# Altium PCB Laser.PcbDoc (continued)
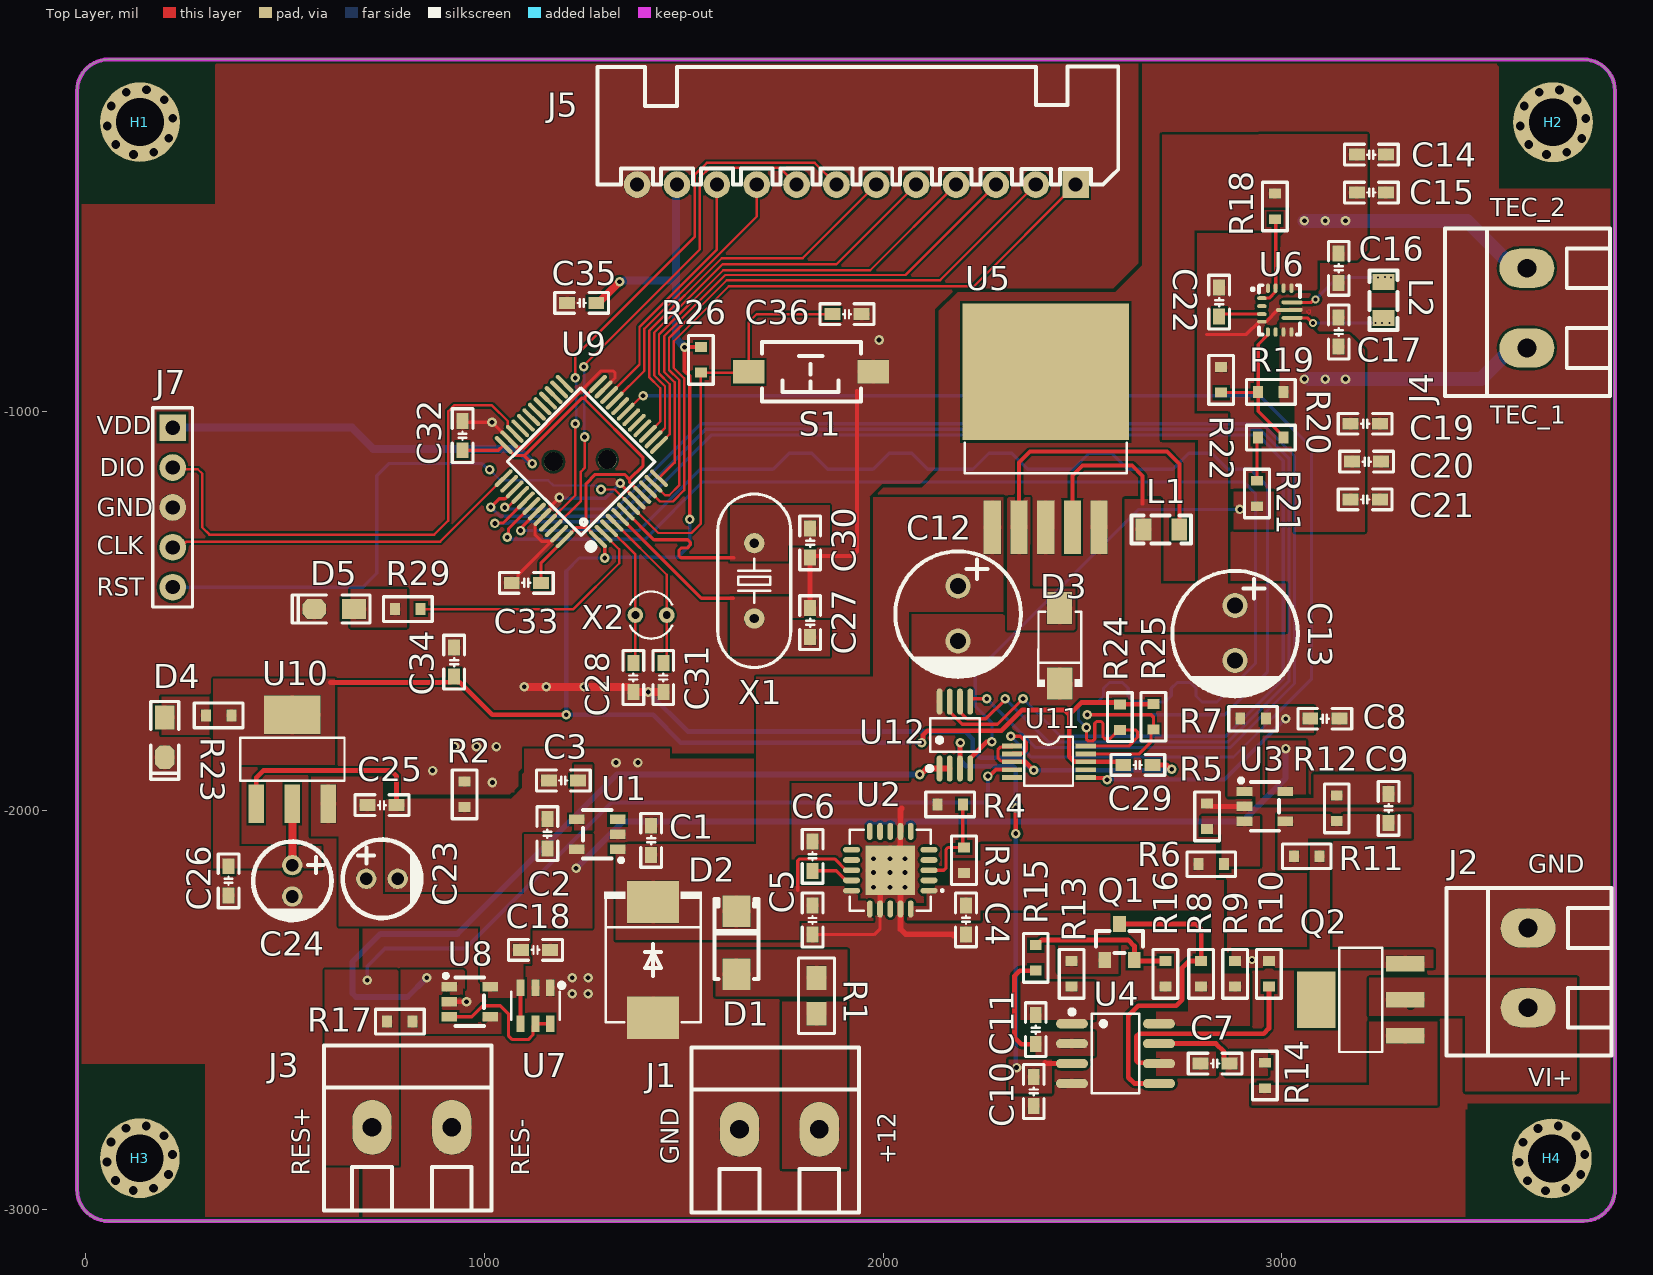
[diagram p0: Top Layer view]
## Nets (pads, with @x,y where several pads share a name; then routed paths per layer and width w, separated by ;. In a path a pad name is that pad's centre, name@x,y a point inside that pad or via, vN(x,y) a via of type N, cw(c..) or ccw(c..) an arc to the next point about the centre after c; other vN are vias at no path point) (continued)
  Bottom Layer w8: v1(1051,-1240) 1051,-1240.69 1054.31,-1244 1329,-1244 1543,-1030 2951,-1030 3032,-1111 3032,-1681.6 2871.6,-1842 2382,-1842 v1(2260,-1720)
DA_MOSI: U9.41 U12.7 | length 3743.5
  Top Layer w8: v1(1026.31,-1279.97) 1027.29,-1279 1047.23,-1279 U9.41 ; U12.7 2167.2,-1752.65 2198.55,-1784 2287,-1784 2346,-1725 v1@2351,-1725
  Bottom Layer w8: v1(1026.31,-1279.97) 1060.03,-1279.97 1064,-1276 1352,-1276 1570,-1058 2939.4,-1058 3004,-1122.6 3004,-1670 2860,-1814 2445,-1814 v1(2351,-1720)
DA_SCK: U9.39 U12.6 | length 3754.9
  Top Layer w8: v1(1016,-1239) 1037,-1218 1051.84,-1218 1075.25,-1194.59 U9.39 ; U12.6 2194.86,-1729.17 2194.86,-1754.72 2210.14,-1770 2258,-1770 v1@2306,-1722
  Bottom Layer w8: v1(1016,-1239) 1039,-1262 1337,-1262 1555,-1044 2945.2,-1044 3018,-1116.8 3018,-1675.8 2865.8,-1828 2414,-1828 v1(2306,-1720)
DGND: C24.2 C26.2 C27.1 C28.1 C29.2 C30.1 C31.1 C32.2 C33.2 C34.2 C35.2 C36.2 D4.2 D5.2 J5.12 J7.3 R2.1 S1.1 U9.8 U9.23 U9.35 U9.44 U9.47 U11.1 U11.3 | length 3781.9
  Top Layer w6: C36.2 1951,-755 C36.2@1963,-767
  Top Layer w8: C32.2 947.77,-1026.27 v1(1019,-1026.27) U9.35 ; R2.1 R2.1@952,-1930 ; C33.2 1073.5,-1429 1084.5,-1418 1084.5,-1408.77 1186.61,-1306.66 1186.61,-1305.95 1167.56,-1325 1143,-1325 1127.04,-1309.04 1127.04,-1283.43 1145.57,-1264.9 U9.44 1171.07,-1238.69 1171.07,-1232.07 v1(1188.13,-1215) ; 1083.75,-1090.3 1086.47,-1090.3 1087.37,-1091.2 1098.69,-1091.2 1292.19,-897.7 1322.87,-897.7 1327.55,-902.38 1327.55,-915.18 U9.23 ; v1(1340.72,-1179.18) 1340.72,-1180.24 1382.19,-1221.72 U9.8 ; U11.3 2321.57,-1876.09 2295.62,-1876.09 2287.89,-1868.36 2287.89,-1848.27 2295.62,-1840.54 2321.58,-1840.54 U11.1
  Top Layer w10: C30.1 1820.49,-1362.01 1922.99,-1362.01 1935,-1350 1935,-948
  Top Layer w12: C27.1 C30.1 ; U11.3 2323.57,-1877.9 2356.9,-1877.9 v1(2378,-1899) ; U11.1 U11.1@2323.58,-1838.73 ; C29.2 2711.43,-1886 2722.43,-1897 v1(2724,-1897) v1@2724,-1891.01
  Top Layer w20: v1(1100,-1690) v1(1155,-1690) v1(1250,-1690) v1(1300,-1690) 1360.63,-1690 1363.63,-1693 1368.63,-1693 1373.63,-1698 C28.1 v1(1411.13,-1703) C31.1
  Bottom Layer w8: v1(1188.13,-1215) 1190.13,-1217 1302.9,-1217 v1(1340.72,-1179.18) ; v1@2722,-1899 v1(2724,-1897)
  Bottom Layer w12: v1(1411.13,-1703) 1510.13,-1802 2206,-1802 2225,-1821 2225,-1849 2244,-1868 2343,-1868 2374,-1899 v1(2378,-1899) v1@2722,-1899
  other v1: 1020,-1930 870,-1900 925,-1840 980,-1840 1030,-1840 1990,-820
GND: C1.2 C2.2 C3.2 C4.1 C5.2 C6.2 C8.2 C10.1 C12.2 C13.2 C14.2 C15.2 C16.2 C17.2 C18.2 C19.2 C20.2 C21.2 C22.2 C23.2 C25.2 D2.2 D3.1 J1.2 J2.2 J3.2 R2.2 R4.1 R5.2 R16.2 R22.1 U1.2 U2.7 U2.17 U2.19 U2.21 U3.2 U4.4 U5.3 U5.5 U6.4 U6.10 U6.15 U7.1 U7.2 U8.2 U10.1 U12.8 | length 1825.7
  Top Layer w8: C5.2 1977.5,-2311.5 1992.41,-2296.59 U2.17 ; U2.21@2017,-2122 2017,-2149 U2.21 2039,-2150 U2.21@2045,-2156 ; 2812,-806 2911.27,-806 2943.17,-774.1 U6.4 2950.4,-773.75 2961.26,-773.75 2990.51,-744.5 U6.10
  Top Layer w12: U10.1 427.45,-1917.55 445,-1900 765,-1900 779.5,-1914.5 C25.2 C25.2@782.37,-1989.48 ; U8.2 v1(955,-2480) ; U4.4@2443.03,-2690.15 2448.18,-2685 U4.4 ; R5.2 2815.5,-1983 2822.5,-1990 U3.2 U3.2@2901.82,-1985
  Top Layer w14: U2.17 1992.41,-2175.59 U2.21 ; 2047,-1995 2043.59,-1998.41 U2.7 2043.53,-2052.87 2043.53,-2088.11 2018,-2113.64 U2.21@2018,-2149 ; U2.21@2055,-2123 2044,-2123 U2.21@2018,-2149 ; 2177,-2314 2174,-2311 2057,-2311 2043.59,-2297.59 U2.19 2043.59,-2175.59 U2.21 ; U2.21 U2.21@2018,-2149
  Bottom Layer w10: v1@1327.82,-1880 v1(1330,-1880)
  other v1: 1220,-2460 1260,-2460 1220,-2420 1260,-2420 1976,-2193 2017,-2193 2055,-2193 1976,-2156 2017,-2156 2055,-2156 1976,-2121 2017,-2121 2055,-2121 1385,-1880
LEDK: 
NetC3_1: C3.1 U1.4
NetC6_1: C6.1 U2.14 | length 107.8
  Top Layer w8: C6.1 1882.49,-2151.5 1906.58,-2175.59 U2.14
NetC7_1: C7.1 R14.2 U4.7 | length 212.9
  Top Layer w12: U4.7 2835,-2585 2855.5,-2605.5 2855.5,-2626 2864.5,-2635 C7.1 C7.1@2870.5,-2634 ; R14.2@2957,-2634 R14.2
NetC7_2: C7.2 R10.1 U4.6 | length 567.3
  Top Layer w12: U4.6 2690.02,-2632.87 2639.9,-2632.87 2635,-2627.97 2635,-2567.03 2642.03,-2560 2955,-2560 2968,-2547 R10.1
NetC8_1: C8.1 R7.2 U11.6 | length 567.2
  Top Layer w10: U11.6 2509.34,-1918.18 2557.18,-1918.18 v1(2562,-1923)
  Bottom Layer w10: v1(2562,-1923) 2857,-1923 v1(3010,-1770)
NetC9_1: C9.1 R7.1 R12.2 U3.1
NetC9_2: C9.2 R11.2 R12.1 U3.4
NetC10_2: C10.2 U4.3 U12.3 | length 1078.9
  Top Layer w12: U12.3 2193.24,-1894.45 2193.24,-1830.76 v1(2194,-1830) ; v1(2333,-2058) v1(2333,-1994) ; 2406,-2632 2409,-2635 U4.3
  Bottom Layer w12: v1(2194,-1830) 2191.7,-1832.3 2191.7,-1872.7 2208,-1889 2325.97,-1889 2333,-1896.03 v1(2333,-1994) ; v1(2333,-2058) 2333,-2643 v1(2335,-2645)
NetC11_1: C11.1 R13.2 U4.1
NetC11_2: C11.2 R15.2 U4.2 | length 273.2
  Top Layer w12: C11.2 2346.5,-2586.5 2330,-2570 2330,-2415 2343,-2402 R15.2
NetC17_1: C17.1 C19.1 C20.1 C21.1 J4.1 R19.2 U6.7 U6.8 | length 579.7
  Bottom Layer w35: v1@3067.63,-918 3500.15,-918 3578.15,-840 J4.1
  other v1: 3057,-918 3109,-918 3160,-918
NetC22_1: C22.1 U6.3 | length 109.7
  Top Layer w8: C22.1 2849.4,-755.1 U6.3
NetD1_2: D1.2 R1.2
NetD3_2: D3.2 L1.2 U5.2 | length 753
  Top Layer w10: U5.2 2341.07,-1126.93 2368,-1100 2712,-1100 2743,-1131 L1.2
NetD4_1: D4.1 R23.2
NetD5_1: D5.1 R29.2
NetJ1_1: J1.1 R1.1
NetJ2_1: J2.1 Q2.2 | length 9.5
  Top Layer w12: J2.1@3611.29,-2488.29 J2.1
NetJ3_1: J3.1 R17.2 U11.4 | length 1892
  Top Layer w10: v1(2263,-1914) 2266.79,-1914 2282.89,-1897.9 2323.27,-1897.9 U11.4
  Bottom Layer w10: v4(706,-2426) 706,-2391 751,-2346 953,-2346 1319,-1980 2257.14,-1980 2263,-1974.14 v1(2263,-1914)
NetL2_1: L2.1 U6.9 | length 249.2
  Top Layer w8: U6.9 3064.5,-764.5 3077,-777 v3(3079,-777)
  Bottom Layer w8: v3(3079,-777) v2(3270,-777)
  other v2: 3235,-777 3251,-777
NetL2_2: L2.2 U6.11 | length 328.8
  Top Layer w8: U6.11 3074.25,-725.5 3081.75,-718 v3(3085,-718) ; v2(3241.88,-663) 3250.75,-671.87 L2.2@3251.87,-671.87 ; v2(3259.25,-662.5) 3259.25,-664.5 L2.2@3251.87,-671.87 ; v2(3274,-663) 3262,-675 L2.2 L2.2@3251.87,-671.87
  Bottom Layer w8: v3(3085,-718) 3140,-663 3258.75,-663 v2(3259.25,-662.5) 3273.5,-662.5 v2(3274,-663)
NetQ1_1: Q1.1 R13.1
NetQ1_2: Q1.2 R15.1 R16.1 | length 372.8
  Top Layer w12: R15.1 2385.5,-2338 2398.5,-2325 2615,-2325 2630.4,-2340.4 Q1.2 2633.13,-2378 R16.1
NetQ1_3: Q1.3 R8.2 U4.5 | length 815.5
  Top Layer w12: Q1.3 2784.73,-2284.73 2798,-2298 R8.2 2767,-2378 2750,-2395 2750,-2475 2735,-2490 2640,-2490 2615,-2515 2615,-2670 2630,-2685 U4.5
NetQ2_1: Q2.1 R14.1
NetQ2_3: Q2.3 R9.2 R10.2 R11.1
  other v5: 2925,-2375
NetQ3_1: 
NetQ3_3: 
NetR3_1: R3.1 R4.2 U2.3 | length 247.8
  Top Layer w8: U2.3 2152.01,-2149.99 2158,-2144 2158,-2097.69 2162.69,-2093 R3.1 2200,-2090 R4.2
NetR5_1: R5.1 R6.2 U3.3
NetR18_1: R18.1 U6.1 U6.14 | length 224.1
  Top Layer w8: U6.1 2950.4,-714.75 2968.78,-714.75 2984.1,-699.43 2984.1,-690.45 U6.14 ; R18.1 2985,-519 2985,-681.37 2984.8,-681.57 2984.8,-683.18 U6.14@2985,-683.38
  Top Layer w10: U6.14 U6.14@2984.45,-683.38
NetR19_1: R19.1 R20.2 R22.2 U6.5 | length 395.6
  Top Layer w8: R22.2 2939,-952 R19.1 ; U6.5 2965.45,-806.78 2941,-831.23 R19.1 ; R20.2 3005,-1062.5 2941,-998.5 R19.1
NetR20_1: R20.1 R21.2 | length 109.2
  Top Layer w8: R21.2 2938,-1068 R20.1
NetR21_1: R21.1 U12.4 | length 1121.3
  Top Layer w12: U12.4 2218.39,-1869.35 2259.73,-1828 v1(2273,-1828)
  Bottom Layer w8: v1(2273,-1828) 2273,-1780 2231.31,-1738.31 2231.31,-1654.69 2641,-1245 v1(2895,-1245)
NetU7_5: U7.5 U7.6 U8.3 | length 361.6
  Top Layer w8: U8.3 968.55,-2517.4 995.95,-2490 1040,-2490 1060,-2510 1060,-2565 1070,-2575 1110,-2575 1121.53,-2563.47 1121.53,-2541.71 U7.5 U7.6
NRST: C36.1 J7.5 R26.1 S1.2 U9.7 | length 2521.1
  Top Layer w6: v1(1292.44,-1195) 1326.91,-1195 U9.7 1435.91,-1304 1519,-1304 1543,-1280 R26.1 1661,-902 S1.2 1663,-775 1683,-755 C36.1
  Bottom Layer w6: v1(1013,-1145) 1039.72,-1171.72 1159.72,-1171.72 1173,-1185 1279.92,-1185 1289.92,-1195 v1(1292.44,-1195)
  Bottom Layer w8: J7.5 695,-1440 730,-1405 730,-1160 760,-1130 994.06,-1130 1009.06,-1145 v1(1013,-1145)
OSC32-IN: C28.2 U9.3 X2.2 | length 367.4
  Top Layer w6: U9.3 1378.63,-1358.07 X2.2 1378.63,-1625 C28.2
OSC32-OUT: C31.2 U9.4 X2.1 | length 409.7
  Top Layer w6: U9.4 1457.37,-1408.96 X2.1 1457.37,-1621.26 C31.2
OSC-IN: C27.2 U9.5 X1.2 | length 368
  Top Layer w8: U9.5 1544.24,-1468 1624,-1468
OSC-OUT: C30.2 U9.6 X1.1 | length 389.2
  Top Layer w8: U9.6 1425.09,-1321 1510,-1321 1516.69,-1327.69 1516.69,-1334.31 1509,-1342 1493,-1342 1488,-1347 1488,-1361.31 1492.69,-1366 1626,-1366
PB8: J5.7 U9.45 | length 1417.6
  Top Layer w6: U9.45 1228,-1209.59 v1(1228,-1030) ; v1(1228,-915) 1228,-860 1528,-560 1528,-405 1557.46,-375.54 1828.54,-375.54 J5.7
  Bottom Layer w6: v1(1228,-1030) 1230.5,-1027.5 1230.5,-917.5 v1(1228,-915)
PB9: J5.8 U9.46 | length 1303.9
  Top Layer w6: U9.46 1241.88,-1223.55 1241.88,-1150.55 1251.28,-1141.15 v1(1251.28,-1063.28) ; v1(1249,-887) 1249,-884 1540,-593 1540,-412.95 1565.41,-387.54 1740.54,-387.54 J5.8
  Bottom Layer w6: v1(1249,-887) 1250.14,-888.14 1250.14,-1062.14 v1(1251.28,-1063.28)
PB10: J5.9 U9.21 | length 689.5
  Top Layer w6: U9.21 1401,-897.41 1401,-792.15 1683,-510.15 J5.9
PB11: J5.10 U9.22 | length 640
  Top Layer w6: U9.22 1389,-881.57 1389,-787.18 1583,-593.18 J5.10
PC13: R29.1 U9.2 | length 636
  Top Layer w6: R29.1 1223,-1495 1338,-1380 1338,-1345.27 U9.2
READY: U9.19 U11.2 | length 3333.5
  Top Layer w6: U9.19 1355.61,-999.73 1395.34,-960 v1(1398,-960)
  Top Layer w8: v1(2320,-1814) 2344.49,-1814 2359.08,-1828.59 2359.08,-1848.68 2351.35,-1856.41 2325.39,-1856.41 U11.2
  Bottom Layer w8: v1(1398,-960) 2945,-960 3075,-1090 3075,-1670 2879,-1866 2372,-1866 v1(2320,-1814)
SWCLK: J7.4 U9.37 | length 901.9
  Top Layer w6: J7.4 229.66,-1328.34 249.64,-1328.34 251.98,-1326 888.88,-1326 U9.37
SWDIO: J7.2 U9.34 | length 1339.4
  Top Layer w6: J7.2 222,-1144 281,-1144 292,-1155 292,-1290 310,-1308 874,-1308 909,-1273 909,-999 924,-984 1019,-984 1058.46,-1023.46 1058.46,-1030.29 1058.53,-1030.36 1058.53,-1037.97 U9.34
TFT_BLK: J5.6 U9.15 | length 1004.8
  Top Layer w6: U9.15 1441,-1024.44 1441,-940.88 1413,-912.88 1413,-797.12 1595.12,-615 1798,-615 J5.6
TFT_CS: J5.5 U9.14 | length 1102.2
  Top Layer w6: U9.14 1453,-1040.28 1453,-935.91 1426,-908.91 1426,-801.09 1597.09,-630 1883,-630 J5.5
TFT_DC: J5.4 U9.13 | length 1200.4
  Top Layer w6: U9.13 1465,-1056.12 1465,-930.94 1438,-903.94 1438,-806.06 1599.06,-645 1968,-645 J5.4
TFT_RES: J5.3 U9.12 | length 1373.1
  Top Layer w6: U9.12 1439.38,-1165.24 1477,-1127.62 1477,-925.97 1451,-899.97 1451,-810.03 1604.03,-657 2056,-657 J5.3
TFT_SCL: J5.1 U9.10 | length 1670.7
  Top Layer w6: U9.10 1440.44,-1225 1473,-1225 1501,-1197 1501,-916.03 1475,-890.03 1475,-823 1613,-685 2228,-685 J5.1
TFT_SDA: J5.2 U9.11 | length 1546.8
  Top Layer w6: U9.11 1452.8,-1209.54 1463.46,-1209.54 1489,-1184 1489,-921 1463,-895 1463,-815 1608,-670 2143,-670 J5.2
VDD: C24.1 C26.1 C29.1 C32.1 C33.1 C34.1 C35.1 J5.11 J7.1 R23.1 R24.2 R25.2 R26.2 U9.1 U9.9 U9.24 U9.36 U9.48 U10.2 U10.4 U11.8 | length 6729.9
  Top Layer w8: C32.1 1034.88,-1096.5 U9.36 1048.84,-1083.25 1075.59,-1110 1099.69,-1110 ; v1(1120,-1130) 1119.69,-1130 1099.69,-1110 ; C33.1 1141.5,-1379.61 U9.48 1231.11,-1290 1254.88,-1290 ; U9.24 1252.26,-962.63 1252.26,-965.94 ; v1(1301.87,-1366.87) 1301.87,-1336.99 U9.1 1254.88,-1290 ; U9.9 1363.61,-1176.02 1363.61,-1169.39 ; 1099.69,-1110 1243.74,-965.94 1252.26,-965.94 ; 1252.26,-965.94 1252.26,-969.26 1398,-1115 1398,-1135 1363.61,-1169.39 ; 1254.88,-1290 1254.88,-1180.12 1277.82,-1157.18 1351.39,-1157.18 1363.61,-1169.39
  Top Layer w10: v1(1515,-1270) 1515,-910.23 1502,-897.23 v1(1502,-838) R26.2
  Top Layer w12: 614,-1679 889,-1679 889.5,-1678.5 915,-1678.5 C34.1@924,-1669.5 ; C34.1 C34.1@924,-1669.5 ; v1(1205,-1760) 1019.5,-1760 938,-1678.5 933,-1678.5 C34.1@924,-1669.5 ; C35.1 C35.1@1285.5,-727 ; v1@1338.5,-674 v1(1339.12,-674) ; v1@2100,-1818.51 2100,-1811.03 2111.03,-1800 2297,-1800 2349,-1748 2455,-1748 2467,-1760 ; C29.1 2594.6,-1878.1 2508.62,-1878.1 U11.8 2508.43,-1877.91 2479.65,-1877.91 2467,-1865.26 2467,-1760 ; R25.2 2677.5,-1733.5 2594.5,-1733.5 R24.2 2589,-1729 2498,-1729 2467,-1760
  Top Layer w20: C24.1 U10.2 ; C35.1@1285.5,-727 v1@1338.5,-674
  Bottom Layer w8: 1205,-1400 1238.13,-1366.87 v1(1301.87,-1366.87) 1303.74,-1365 1485,-1365 1515,-1335 v1(1515,-1270)
  Bottom Layer w10: J5.11@1481,-432 J5.11 ; v1(1502,-838) v1@1502,-837.82
  Bottom Layer w12: 1205,-1400 v1(1205,-1760) 1423,-1760 1493,-1830 v1(2097,-1830) ; v1(1339.12,-674) 1341.42,-671.7 1349.91,-671.7 v1@1350.61,-671
  Bottom Layer w20: J7.1 667.76,-1040 720.76,-1093 1083,-1093 v1(1120,-1130) ; v1@1350.61,-671 1475,-671 ; J5.11@1481,-432 1481,-816.82 v1@1502,-837.82
VREF: R17.1 U8.1 U8.4 U12.1 U12.2 | length 2017.1
  Top Layer w8: U8.1@904.5,-2449.93 U8.1 ; U8.4@998.6,-2525.22 1006.41,-2517.4 U8.4
  Top Layer w15: v1(2091.9,-1909.9) 2094.33,-1909.9 2109.33,-1894.9 U12.1 U12.2
  Bottom Layer w15: v1(855,-2420) 807,-2468 677.79,-2468 669,-2459.21 669,-2380 739,-2310 932,-2310 1332.1,-1909.9 v1(2091.9,-1909.9)
pads on no net: H1.11 H2.11 H3.11 H4.11 Q2.4 U1.3 U2.2 U2.4 U2.5 U2.6 U2.8 U2.9 U2.10 U2.11 U2.12 U2.18 U5.6 U6.2 U6.6 U9.16 U9.17 U9.18 U9.20 U9.25 U9.26 U9.27 U9.28 U9.29 U9.30 U9.31 U9.32 U9.33 U9.38 U11.5 U11.7

## Polygon pours and split planes (outlines as drawn)
GND on Top Layer "NONET_L-01_P-001" (solid, pour order 29): 1123,-2397 1285,-2397 1285,-2494 1123,-2494
GND on Top Layer "NONET_L-01_P-001" (solid, pour order 28): 1278,-1986 1465,-1986 1465,-2077 1305,-2077 1305,-2426 1328,-2426 1328,-2895 1277,-2895 1277,-1986
+5V_Anagle on Top Layer "NONET_L-01_P-001" (solid, pour order 68): 1270,-2060 1100,-2060 1100,-2210 745,-2210 745,-2290 990,-2290 990,-2470 1009,-2470 1009,-2413 1062,-2413 1064,-2411 1064,-2385 1115,-2385 1115,-2295 1270,-2295
GND on Top Layer "NONET_L-01_P-001" (solid, pour order 30): 1122,-2307 1123,-2407 1123.66,-2407 1285,-2407 1285,-2307
"+12V Vin" on Top Layer "NONET_L-01_P-001" (solid, pour order 26): 1329,-2085 1329,-2325 1733,-2325 1735,-2325 1737,-2325 1790,-2325 1790,-2190 1682,-2190 1682,-2085
"+12V Vin" on Top Layer "NONET_L-01_P-001" (solid, pour order 21): 1937,-2190 1937,-2227 1975,-2227 1975,-2277 1780,-2277 1780,-2190
GND on Top Layer "NONET_L-01_P-001" (solid, pour order 83): 1100,-1975 760,-1975 760,-2200 1085,-2200 1085,-2050 1100,-2050
DGND on Top Layer "NONET_L-01_P-001" (solid, pour order 84): 805,-1955 805,-1817 1075,-1817 1075,-1955
GND on Top Layer "NONET_L-01_P-001" (solid, pour order 81): 1100,-1845 1465,-1845 1465,-1995 1278,-1995 1278,-1870 1205,-1870 1205,-2050 1100,-2050
+5V_Anagle on Top Layer "NONET_L-01_P-001" (solid, pour order 63): 565,-1915 745,-1915 745,-2290 635,-2290 635,-2065 565,-2065
DGND on Top Layer "NONET_L-01_P-001" (solid, pour order 70): 75,-1820 300,-1820 300,-1830 300,-2170 615,-2170 615,-2270 75,-2270
VDD on Top Layer "NONET_L-01_P-001" (solid, pour order 60): 320,-1670 625,-1670 625,-1885 385,-1885 385,-2090 390,-2090 395,-2090 590,-2090 590,-2145 320,-2145
GND on Top Layer "NONET_L-01_P-001" (solid, remove dead copper, pour order 91): 2650,-127 2650,-632 2582,-700 2187,-700 2140,-747 2140,-1148 2139,-1148 2097,-1190 2001,-1190 1975,-1216 1975,-1813.26 1911.34,-1870 1134,-1870 1095,-1909 1095,-1943 1066,-1972 1065,-1971 735,-1971 695,-2011 695,-3025 3820,-3025 3825,-3020 3825,-125 2652,-125
NetJ2_1 on Top Layer "NONET_L-01_P-001" (solid, pour order 43): 3220,-2420 3740,-2420 3740,-2515 3220,-2515
NetQ2_3 on Top Layer "NONET_L-01_P-001" (solid, pour order 42): 2875,-2350 3380,-2350 3380,-2395 3255,-2395 2875,-2395
DGND on Top Layer "NONET_L-01_P-001" (solid, remove dead copper, pour order 90): 2640,-628 2578,-690 2183,-690 2130,-743 2130,-1143 2093,-1180 1998,-1180 1965,-1213 1966,-1214 1966,-1803 1912,-1857 1127,-1857 1127,-1861 1085,-1903 1085,-1939 1064,-1960 732,-1960 685,-2007 685,-3025 -5,-3025 -10,-3020 -10,-105.11 2639.89,-105.11
"+12V Vin" on Top Layer "NONET_L-01_P-001" (solid, pour order 71): 2130,-1213.83 2130,-1502 2065,-1502 2065,-1925 1765,-1925 1765,-2220 1682,-2220 1682,-1665 1975,-1665 1975,-1215
GND on Top Layer "NONET_L-01_P-001" (solid, pour order 9): 2379,-1219 2585,-1219 2585,-1574 3011,-1574 3011,-1690 2108,-1690 2108,-1573 2490,-1573 2490,-1429 2379,-1429
NetC10_2 on Top Layer "NONET_L-01_P-001" (solid, pour order 59): 2315,-2625 2422.5,-2625 2422.5,-2710 2315,-2710
VREF on Top Layer "NONET_L-01_P-001" (solid, pour order 32): 879,-2420 880,-2420 945,-2420 945,-2463 885,-2463 885,-2535 985,-2535 985,-2511 989,-2507 1042,-2507 1042,-2550 1042,-2555 1042,-2560 868,-2560 868,-2421 868,-2420
GND on Top Layer "NONET_L-01_P-001" (solid, pour order 4): 2819,-652 2974,-652 2974,-698 2967,-705 2822,-705 2822,-855 2884,-855 2884,-918 2804,-918 2804,-652
OSC-IN on Top Layer "NONET_L-01_P-001" (solid, pour order 66): 1616,-1463.5 1766,-1463.5 1766,-1523.5 1866,-1523.5 1866,-1613.5 1861,-1613.5 1616,-1613.5
GND on Top Layer "NONET_L-01_P-001" (solid, pour order 15): 2169,-1940 2169,-2019.99 1854,-2020 1854,-2084 1782,-2084 1782,-1940
GND on Top Layer "NONET_L-01_P-001" (solid, pour order 92): 2108,-1519 2301,-1519 2301,-1589 2108,-1589
NetD3_2 on Top Layer "NONET_L-01_P-001" (solid, pour order 8): 2311.5,-1214.5 2311.5,-1547.5 2482,-1547.5 2481.5,-1444.5 2368.5,-1444.5 2369,-1223 2369,-1215
NetJ3_1 on Top Layer "NONET_L-01_P-001" (solid, pour order 54): 600,-2400 780,-2400 785,-2405 785,-2890 600,-2890
OSC-OUT on Top Layer "NONET_L-01_P-001" (solid, pour order 65): 1616,-1234.99 1866,-1234.99 1866,-1334.99 1761,-1334.99 1761,-1374.99 1616,-1374.99
GND on Top Layer "NONET_L-01_P-001" (solid, pour order 76): 2735,-2405 2735,-2470 2595,-2470 2595,-2810 2170,-2810 2170,-2305 2275,-2305 2275,-2725 2461.01,-2725 2461.01,-2680 2555,-2680 2555,-2430 2615,-2430 2615,-2405
"+5V  TEC_Con" on Top Layer "NONET_L-01_P-001" (solid, pour order 10): 2606,-1219 2606,-1552 3010,-1552 3010,-1431 2696,-1431 2696,-1219
VREF on Top Layer "NONET_L-01_P-001" (solid, pour order 53): 950,-2400 950,-2447.6 868.5,-2447.6 868.5,-2559.5 868,-2560 790,-2560 790,-2400
NetR21_1 on Top Layer "NONET_L-01_P-001" (solid, pour order 82): 2880,-1200 2980,-1200 2980,-1295 2880,-1295
GND on Top Layer "NONET_L-01_P-001" (solid, pour order 73): 2765,-1910 2765,-1990 2850,-1990 2850,-1910
GND on Top Layer "NONET_L-01_P-001" (solid, pour order 78): 2165,-1945 2165,-1965 2780,-1965 2780,-1925 2850,-1925 2850,-1725 3115,-1725 3115,-1705 2765,-1705 2765,-1945
+5V_Anagle on Top Layer "NONET_L-01_P-001" (solid, pour order 77): 2965,-1825 2965,-1960 3060,-1960 3060,-1825
NetJ2_1 on Top Layer "NONET_L-01_P-001" (solid, pour order 75): 3460,-2515 3460,-2705 3740,-2705 3740,-2515
GND on Top Layer "NONET_L-01_P-001" (solid, pour order 74): 3105,-1710 3105,-1711.15 3105,-1880 3465,-1880 3465,-2370 3740,-2370 3740,-1710
GND on Top Layer "NONET_L-01_P-001" (solid, pour order 72): 3000,-1575 3218,-1575 3218,-1275 3348,-1275 3348,-1683 3348,-1690 3000,-1690
DGND on Top Layer "NONET_L-01_P-001" (solid, pour order 69): 1905,-700 1905,-960 2040,-960 2040,-700
"+5V  TEC_Con" on Top Layer "NONET_L-01_P-001" (solid, pour order 67): 2950,-303.97 2950,-545 2780,-545 2780,-1005 2865,-1005 2865,-1440 2790,-1440 2790,-1070 2700,-1070 2700,-305
"+8V  V-I_Trans" on Top Layer "NONET_L-01_P-001" (solid, pour order 64): 2244,-2126 2245,-2125 2245,-2085 2835,-2085 2835,-2175 2855,-2175 2855,-2210 2855,-2425 2825,-2425 2825,-2250 2240,-2250
GND on Top Layer "NONET_L-01_P-001" (solid, pour order 61): 820,-2630 1330,-2630 1330,-2893 1328,-2895 820,-2895
NetD5_1 on Top Layer "NONET_L-01_P-001" (solid, pour order 58): 665,-1445 805,-1445 805,-1540 665,-1540
NetD4_1 on Top Layer "NONET_L-01_P-001" (solid, pour order 57): 190,-1715 310,-1715 310,-1810 190,-1810
NetC3_1 on Top Layer "NONET_L-01_P-001" (solid, pour order 56): 1225,-1885 1270,-1885 1270,-2050 1225,-2050
NetC11_2 on Top Layer "NONET_L-01_P-001" (solid, pour order 52): 2383,-2555 2530,-2555 2530,-2615 2383,-2615
NetC11_1 on Top Layer "NONET_L-01_P-001" (solid, pour order 51): 2435,-2430 2530,-2430 2530,-2525 2345,-2525 2345,-2430
NetQ1_1 on Top Layer "NONET_L-01_P-001" (solid, pour order 50): 2440,-2340 2590,-2340 2590,-2410 2440,-2410
NetQ2_1 on Top Layer "NONET_L-01_P-001" (solid, pour order 49): 2925,-2690 3220,-2690 3220,-2530 3390,-2530 3390,-2740 3335,-2740 2925,-2740
"+8V  V-I_Trans" on Top Layer "NONET_L-01_P-001" (solid, pour order 48): 2685,-2540 2920,-2540 2920,-2470 2765,-2470 2765,-2505 2685,-2505
"+8V  V-I_Trans" on Top Layer "NONET_L-01_P-001" (solid, pour order 47): 2765,-2410 2920,-2410 2920,-2480 2765,-2480
NetC7_1 on Top Layer "NONET_L-01_P-001" (solid, pour order 44): 2860,-2605 2965,-2605 2965,-2665 2860,-2665
NetQ2_3 on Top Layer "NONET_L-01_P-001" (solid, pour order 46): 3070,-2080 3070,-2370 3120,-2370 3120,-2342.5 3120,-2080
NetC7_2 on Top Layer "NONET_L-01_P-001" (solid, pour order 45): 2685,-2605 2835,-2605 2835,-2665 2685,-2665
NetC9_1 on Top Layer "NONET_L-01_P-001" (solid, pour order 39): 3080,-1985 2935,-1985 2935,-1965 2865,-1965 2865,-1740 2945,-1740 2945,-1970 3080,-1970
NetC8_1 on Top Layer "NONET_L-01_P-001" (solid, pour order 37): 2955,-1740 3080,-1740 3080,-1805 2955,-1805
NetR5_1 on Top Layer "NONET_L-01_P-001" (solid, pour order 36): 2945,-2015 2800,-2015 2800,-2060 2850,-2060 2850,-2140 2945,-2140
NetC9_2 on Top Layer "NONET_L-01_P-001" (solid, pour order 35): 2990,-2010 3325,-2010 3325,-2070 3310,-2070 3065,-2070 3065,-2150 2990,-2150
NetC9_1 on Top Layer "NONET_L-01_P-001" (solid, pour order 34): 3325,-1910 3325,-1985 3080,-1985 3080,-1910
+5V_Anagle on Top Layer "NONET_L-01_P-001" (solid, pour order 31): 1097,-2470 1009,-2470 1009,-2456 1009,-2413 1062,-2413 1064,-2411 1064,-2307 1097,-2307
GND on Top Layer "NONET_L-01_P-001" (solid, pour order 27): 1328,-2426 1328,-2895 1725,-2895 1725,-2477 1519,-2477 1519,-2426
NetD1_2 on Top Layer "NONET_L-01_P-001" (solid, pour order 25): 1580,-2466 1910,-2466 1910,-2350 1580,-2350
NetJ1_1 on Top Layer "NONET_L-01_P-001" (solid, pour order 24): 1747,-2480 1747,-2899 1909,-2899 1909,-2480
"+8V  V-I_Trans" on Top Layer "NONET_L-01_P-001" (solid, pour order 22): 2167,-2126 2167,-2189 2110,-2189 2110,-2220 2109,-2221 2110,-2222 2110,-2240 2060,-2240 2060,-2276 2238,-2276 2242,-2276 2244,-2276 2244,-2126
"+12V Vin" on Top Layer "NONET_L-01_P-001" (solid, pour order 5): 2302,-1214 2302,-1502 2107,-1502 2107,-1214 2300,-1214
GND on Top Layer "NONET_L-01_P-001" (solid, pour order 0): 3223,-305 3223,-600 3173,-650 3108,-650 3108,-722 3093.7,-736.3 2978,-735 2978,-755 3092,-755 3111,-793 3181,-793 3218,-830 3218,-1300 3333,-1300 3348,-1300 3348,-305
"+5V  TEC_Con" on Top Layer "NONET_L-01_P-001" (solid, pour order 2): 3214,-306 3214,-595 3189,-620 3089,-620 3089,-691 3085,-695 2994.4,-695 2998,-560 3020,-538 3020,-487 2943,-487 2942,-486 2942,-304 3214,-304
NetC17_1 on Top Layer "NONET_L-01_P-001" (solid, pour order 3): 2995,-777 3062,-777 3091,-806 3170,-806 3182,-818 3208,-844 3208,-1301 3033,-1301 3033,-978 2995,-978 2995,-970 2995,-963
no net on Top Layer "NONET_L-01_P-001" (solid, pour order 1): 3061.81,-749.5 3062.5,-749.5 3068,-755 3073,-750 3073,-745 3066.31,-745
GND on Bottom Layer "NONET_L-01_P-001" (solid, pour order 20): 1897,-2087 2086,-2087 2086,-2216 1983,-2216 1954,-2216 1954,-2136 1950,-2136 1897,-2136
DGND on Bottom Layer "NONET_L-01_P-001" (solid, remove dead copper, pour order 88): 2641,-628 2579,-690 2184,-690 2131,-743 2131,-1143 2094,-1180 1999,-1180 1966,-1213 1967,-1214 1967,-1803 1913,-1857 1128,-1857 1128,-1861 1086,-1903 1086,-1939 1065,-1960 733,-1960 686,-2007 686,-3025 -4,-3025 -9,-3020 -9,-105.11 2640.89,-105.11
DGND on Bottom Layer "NONET_L-01_P-001" (solid, pour order 86): 660,-1955 1080,-1955 1080,-1817 660,-1817
GND on Bottom Layer "NONET_L-01_P-001" (solid, remove dead copper, pour order 89): 2650,-127 2650,-632 2582,-700 2187,-700 2140,-747 2140,-1148 2139,-1148 2097,-1190 2001,-1190 1975,-1216 1975,-1813.26 1911.34,-1870 1134,-1870 1095,-1909 1095,-1943 1066,-1972 1065,-1971 735,-1971 695,-2011 695,-3025 3820,-3025 3825,-3020 3825,-125 2652,-125

## Keep-outs
Keep-Out Layer:
  the board outline again, w10

## Other copper
Top Layer:
  pour cut-out: 605,-1885 625,-1865 625,-1885
  pour cut-out: 341,-1670 321,-1690 321,-1670
  pour cut-out: 325,-130 325,-480 -10,-480 -10,-105.11 324.89,-105.11
  pour cut-out: 3540,-130 3545,-135 3545,-440 3825,-440 3825,-125
  pour cut-out: 3460,-2750 3825,-2750 3825,-3020 3460,-3020
  pour cut-out: -10,-2635 300,-2635 300,-3020 -10,-3020
  pour cut-out: 3465,-2735 3825,-2735 3825,-3020 3465,-3020
Bottom Layer:
  pour cut-out: -10,-2635 300,-2635 300,-3020 -10,-3020
  pour cut-out: 3460,-2750 3825,-2750 3825,-3020 3460,-3020
  pour cut-out: 3540,-130 3545,-135 3545,-440 3825,-440 3825,-125
  pour cut-out: 325,-130 325,-480 -10,-480 -10,-105.11 324.89,-105.11

## Silkscreen, mask and mechanical layers (free items; w line width, h text height)
Top Overlay:
  text "TEC_2" at 3523,-509.5 h45
  text "TEC_1" at 3523,-1029.5 h45
  text "VDD" at 28,-1057 h45
  text "DIO" at 35.5,-1162 h45
  text "GND" at 28,-1262 h45
  text "CLK" at 28,-1357 h45
  text "RST" at 28,-1462 h45
  text "GND" at 3618,-2157 h45
  text "VI+" at 3618,-2692 h45
  text "GND" at 1487,-2887 h45 r90
  text "+12" at 2032,-2887 h45 r90
  text "RES+" at 562,-2917 h45 r90
  text "RES-" at 1112,-2917 h45 r90
Mechanical 15:
  lines w10: 690,-3025 690,-2010 735,-1965 1065,-1965 1090,-1940 1090,-1905 1130,-1865 1910,-1865 1970,-1805 1970,-1215 2000,-1185 2095,-1185 2135,-1145 2135,-745 2185,-695 2580,-695 2645,-630 2645,-120 ; 3835.94,-194.38 ccw(c3757.65,-194.51) 3757.53,-116.22 56.74,-116.22 ccw(c56.94,-195.16) -22,-195.35 -22,-2951.26 ccw(c56.74,-2951.26) 56.74,-3030 3757.53,-3030 ccw(c3756.87,-2950.93) 3835.94,-2950.28 3835.94,-194.37

## Dimensions
56.74,-116.22 to 56.74,-3030 on Mechanical 1
-22,-195.35 to 3835.94,-194.37 on Mechanical 1